# KiCad board EndGame.kicad_pcb
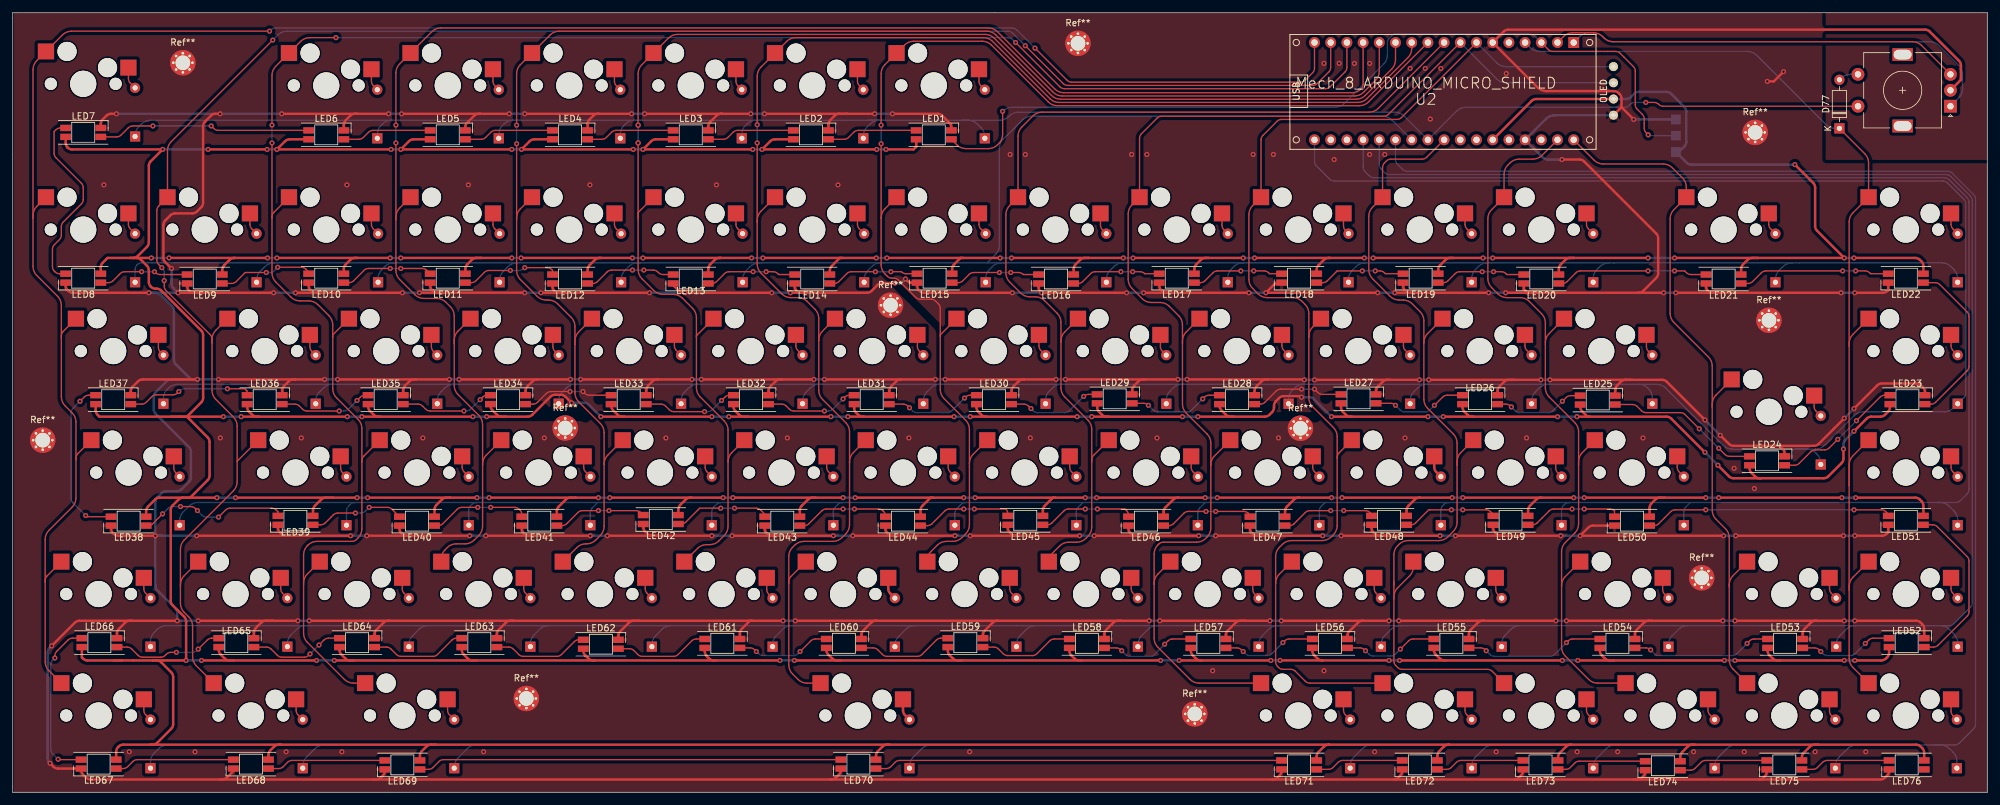
[diagram p0: board, top side]
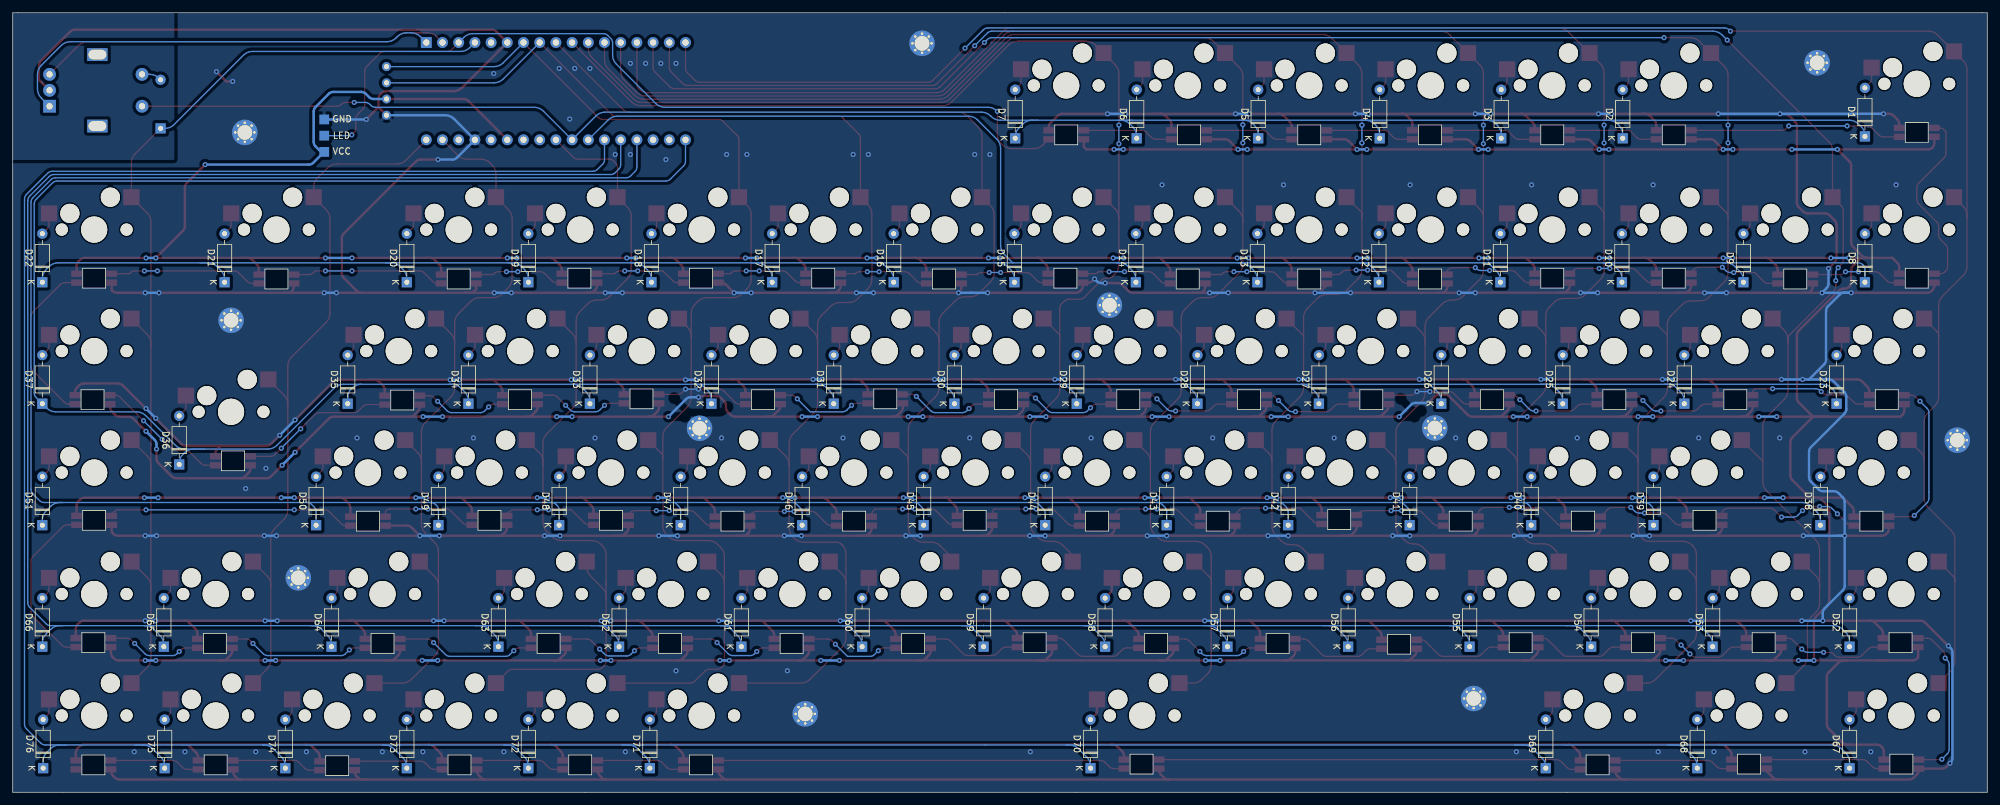
[diagram p1: board, bottom side, seen from below]

Outline 309.56 x 122.24 mm; copper layers: Top, Bottom. Coordinates in mm from the lower left corner of the outline.
Outline path: 0,122.24 0,0 309.56,0 309.56,122.24 0,122.24

## Placement (name value [footprint] x y rotation side)
D1  Diode_1N4148  [D_DO-35_SOD27_P7.62mm_Horizontal]  19.18 102.84 90 bottom
D2  Diode_1N4148  [D_DO-35_SOD27_P7.62mm_Horizontal]  57.15 102.55 90 bottom
D3  Diode_1N4148  [D_DO-35_SOD27_P7.62mm_Horizontal]  76.2 102.55 90 bottom
D4  Diode_1N4148  [D_DO-35_SOD27_P7.62mm_Horizontal]  95.25 102.55 90 bottom
D5  Diode_1N4148  [D_DO-35_SOD27_P7.62mm_Horizontal]  114.3 102.55 90 bottom
D6  Diode_1N4148  [D_DO-35_SOD27_P7.62mm_Horizontal]  133.35 102.55 90 bottom
D7  Diode_1N4148  [D_DO-35_SOD27_P7.62mm_Horizontal]  152.4 102.55 90 bottom
D8  Diode_1N4148  [D_DO-35_SOD27_P7.62mm_Horizontal]  19.18 79.98 90 bottom
D9  Diode_1N4148  [D_DO-35_SOD27_P7.62mm_Horizontal]  38.23 79.98 90 bottom
D10  Diode_1N4148  [D_DO-35_SOD27_P7.62mm_Horizontal]  57.28 79.98 90 bottom
D11  Diode_1N4148  [D_DO-35_SOD27_P7.62mm_Horizontal]  76.33 79.98 90 bottom
D12  Diode_1N4148  [D_DO-35_SOD27_P7.62mm_Horizontal]  95.38 79.98 90 bottom
D13  Diode_1N4148  [D_DO-35_SOD27_P7.62mm_Horizontal]  114.43 79.98 90 bottom
D14  Diode_1N4148  [D_DO-35_SOD27_P7.62mm_Horizontal]  133.48 79.98 90 bottom
D15  Diode_1N4148  [D_DO-35_SOD27_P7.62mm_Horizontal]  152.53 79.98 90 bottom
D16  Diode_1N4148  [D_DO-35_SOD27_P7.62mm_Horizontal]  171.45 79.98 90 bottom
D17  Diode_1N4148  [D_DO-35_SOD27_P7.62mm_Horizontal]  190.5 79.98 90 bottom
D18  Diode_1N4148  [D_DO-35_SOD27_P7.62mm_Horizontal]  209.42 79.98 90 bottom
D19  Diode_1N4148  [D_DO-35_SOD27_P7.62mm_Horizontal]  228.73 79.98 90 bottom
D20  Diode_1N4148  [D_DO-35_SOD27_P7.62mm_Horizontal]  247.78 79.98 90 bottom
D21  Diode_1N4148  [D_DO-35_SOD27_P7.62mm_Horizontal]  276.35 79.98 90 bottom
D22  Diode_1N4148  [D_DO-35_SOD27_P7.62mm_Horizontal]  304.93 79.98 90 bottom
D23  Diode_1N4148  [D_DO-35_SOD27_P7.62mm_Horizontal]  23.62 60.93 90 bottom
D24  Diode_1N4148  [D_DO-35_SOD27_P7.62mm_Horizontal]  47.5 60.93 90 bottom
D25  Diode_1N4148  [D_DO-35_SOD27_P7.62mm_Horizontal]  66.55 60.93 90 bottom
D26  Diode_1N4148  [D_DO-35_SOD27_P7.62mm_Horizontal]  85.6 60.93 90 bottom
D27  Diode_1N4148  [D_DO-35_SOD27_P7.62mm_Horizontal]  104.77 60.93 90 bottom
D28  Diode_1N4148  [D_DO-35_SOD27_P7.62mm_Horizontal]  123.83 60.93 90 bottom
D29  Diode_1N4148  [D_DO-35_SOD27_P7.62mm_Horizontal]  142.75 60.93 90 bottom
D30  Diode_1N4148  [D_DO-35_SOD27_P7.62mm_Horizontal]  161.93 60.93 90 bottom
D31  Diode_1N4148  [D_DO-35_SOD27_P7.62mm_Horizontal]  180.85 60.93 90 bottom
D32  Diode_1N4148  [D_DO-35_SOD27_P7.62mm_Horizontal]  200.02 60.93 90 bottom
D33  Diode_1N4148  [D_DO-35_SOD27_P7.62mm_Horizontal]  219.07 60.93 90 bottom
D34  Diode_1N4148  [D_DO-35_SOD27_P7.62mm_Horizontal]  238.12 60.93 90 bottom
D35  Diode_1N4148  [D_DO-35_SOD27_P7.62mm_Horizontal]  257.05 60.93 90 bottom
D36  Diode_1N4148  [D_DO-35_SOD27_P7.62mm_Horizontal]  283.46 51.4 90 bottom
D37  Diode_1N4148  [D_DO-35_SOD27_P7.62mm_Horizontal]  304.93 60.93 90 bottom
D38  Diode_1N4148  [D_DO-35_SOD27_P7.62mm_Horizontal]  26.16 41.88 90 bottom
D39  Diode_1N4148  [D_DO-35_SOD27_P7.62mm_Horizontal]  52.32 41.88 90 bottom
D40  Diode_1N4148  [D_DO-35_SOD27_P7.62mm_Horizontal]  71.5 41.88 90 bottom
D41  Diode_1N4148  [D_DO-35_SOD27_P7.62mm_Horizontal]  90.55 41.88 90 bottom
D42  Diode_1N4148  [D_DO-35_SOD27_P7.62mm_Horizontal]  109.6 41.88 90 bottom
D43  Diode_1N4148  [D_DO-35_SOD27_P7.62mm_Horizontal]  128.65 41.88 90 bottom
D44  Diode_1N4148  [D_DO-35_SOD27_P7.62mm_Horizontal]  147.7 41.88 90 bottom
D45  Diode_1N4148  [D_DO-35_SOD27_P7.62mm_Horizontal]  166.75 41.88 90 bottom
D46  Diode_1N4148  [D_DO-35_SOD27_P7.62mm_Horizontal]  185.8 41.88 90 bottom
D47  Diode_1N4148  [D_DO-35_SOD27_P7.62mm_Horizontal]  204.85 41.88 90 bottom
D48  Diode_1N4148  [D_DO-35_SOD27_P7.62mm_Horizontal]  223.9 41.88 90 bottom
D49  Diode_1N4148  [D_DO-35_SOD27_P7.62mm_Horizontal]  242.82 41.88 90 bottom
D50  Diode_1N4148  [D_DO-35_SOD27_P7.62mm_Horizontal]  262 41.88 90 bottom
D51  Diode_1N4148  [D_DO-35_SOD27_P7.62mm_Horizontal]  304.93 41.88 90 bottom
D52  Diode_1N4148  [D_DO-35_SOD27_P7.62mm_Horizontal]  21.59 22.83 90 bottom
D53  Diode_1N4148  [D_DO-35_SOD27_P7.62mm_Horizontal]  43.05 22.83 90 bottom
D54  Diode_1N4148  [D_DO-35_SOD27_P7.62mm_Horizontal]  62.1 22.83 90 bottom
D55  Diode_1N4148  [D_DO-35_SOD27_P7.62mm_Horizontal]  81.15 22.83 90 bottom
D56  Diode_1N4148  [D_DO-35_SOD27_P7.62mm_Horizontal]  100.2 22.83 90 bottom
D57  Diode_1N4148  [D_DO-35_SOD27_P7.62mm_Horizontal]  119.13 22.83 90 bottom
D58  Diode_1N4148  [D_DO-35_SOD27_P7.62mm_Horizontal]  138.3 22.83 90 bottom
D59  Diode_1N4148  [D_DO-35_SOD27_P7.62mm_Horizontal]  157.35 22.83 90 bottom
D60  Diode_1N4148  [D_DO-35_SOD27_P7.62mm_Horizontal]  176.4 22.83 90 bottom
D61  Diode_1N4148  [D_DO-35_SOD27_P7.62mm_Horizontal]  195.33 22.83 90 bottom
D62  Diode_1N4148  [D_DO-35_SOD27_P7.62mm_Horizontal]  214.5 22.83 90 bottom
D63  Diode_1N4148  [D_DO-35_SOD27_P7.62mm_Horizontal]  233.43 22.83 90 bottom
D64  Diode_1N4148  [D_DO-35_SOD27_P7.62mm_Horizontal]  259.59 22.83 90 bottom
D65  Diode_1N4148  [D_DO-35_SOD27_P7.62mm_Horizontal]  285.88 22.83 90 bottom
D66  Diode_1N4148  [D_DO-35_SOD27_P7.62mm_Horizontal]  304.93 22.83 90 bottom
D67  Diode_1N4148  [D_DO-35_SOD27_P7.62mm_Horizontal]  21.59 3.78 90 bottom
D68  Diode_1N4148  [D_DO-35_SOD27_P7.62mm_Horizontal]  45.47 3.78 90 bottom
D69  Diode_1N4148  [D_DO-35_SOD27_P7.62mm_Horizontal]  69.22 3.78 90 bottom
D70  Diode_1N4148  [D_DO-35_SOD27_P7.62mm_Horizontal]  140.59 3.78 90 bottom
D71  Diode_1N4148  [D_DO-35_SOD27_P7.62mm_Horizontal]  209.68 3.78 90 bottom
D72  Diode_1N4148  [D_DO-35_SOD27_P7.62mm_Horizontal]  228.73 3.78 90 bottom
D73  Diode_1N4148  [D_DO-35_SOD27_P7.62mm_Horizontal]  247.78 3.78 90 bottom
D74  Diode_1N4148  [D_DO-35_SOD27_P7.62mm_Horizontal]  266.83 3.78 90 bottom
D75  Diode_1N4148  [D_DO-35_SOD27_P7.62mm_Horizontal]  285.75 3.78 90 bottom
D76  Diode_1N4148  [D_DO-35_SOD27_P7.62mm_Horizontal]  304.8 3.78 90 bottom
D77  Diode_1N4148  [D_DO-35_SOD27_P7.62mm_Horizontal]  286.38 104.11 90 top
J1  LED  [StripLED_1side]  260.73 100.43 0 bottom
LED1  YS-SK6812  [YS-SK6812MINI-E_2]  144.4 103.09 180 top
LED2  YS-SK6812  [YS-SK6812MINI-E_2]  125.14 103.09 180 top
LED3  YS-SK6812  [YS-SK6812MINI-E_2]  106.3 103.09 180 top
LED4  YS-SK6812  [YS-SK6812MINI-E_2]  87.38 103.09 180 top
LED5  YS-SK6812  [YS-SK6812MINI-E_2]  68.2 103.09 180 top
LED6  YS-SK6812  [YS-SK6812MINI-E_2]  49.15 103.09 180 top
LED7  YS-SK6812  [YS-SK6812MINI-E_2]  11.05 103.47 180 top
LED8  YS-SK6812  [YS-SK6812MINI-E_2]  11.05 80.61 0 top
LED9  YS-SK6812  [YS-SK6812MINI-E_2]  30.1 80.49 0 top
LED10  YS-SK6812  [YS-SK6812MINI-E_2]  49.15 80.61 0 top
LED11  YS-SK6812  [YS-SK6812MINI-E_2]  68.2 80.61 0 top
LED12  YS-SK6812  [YS-SK6812MINI-E_2]  87.38 80.49 0 top
LED13  YS-SK6812  [YS-SK6812MINI-E_2]  106.3 80.49 0 top
LED14  YS-SK6812  [YS-SK6812MINI-E_2]  125.35 80.49 0 top
LED15  YS-SK6812  [YS-SK6812MINI-E_2]  144.53 80.61 0 top
LED16  YS-SK6812  [YS-SK6812MINI-E_2]  163.58 80.49 0 top
LED17  YS-SK6812  [YS-SK6812MINI-E_2]  182.5 80.61 0 top
LED18  YS-SK6812  [YS-SK6812MINI-E_2]  201.68 80.61 0 top
LED19  YS-SK6812  [YS-SK6812MINI-E_2]  220.73 80.61 0 top
LED20  YS-SK6812  [YS-SK6812MINI-E_2]  239.65 80.49 0 top
LED21  YS-SK6812  [YS-SK6812MINI-E_2]  268.22 80.49 0 top
LED22  YS-SK6812  [YS-SK6812MINI-E_2]  296.8 80.61 0 top
LED23  YS-SK6812  [YS-SK6812MINI-E_2]  297.05 61.56 180 top
LED24  YS-SK6812  [YS-SK6812MINI-E_2]  275.04 51.98 180 top
LED25  YS-SK6812  [YS-SK6812MINI-E_2]  248.5 61.5 180 top
LED26  YS-SK6812  [YS-SK6812MINI-E_2]  230.04 61.56 180 top
LED27  YS-SK6812  [YS-SK6812MINI-E_2]  210.99 61.69 180 top
LED28  YS-SK6812  [YS-SK6812MINI-E_2]  191.94 61.56 180 top
LED29  YS-SK6812  [YS-SK6812MINI-E_2]  172.76 61.69 180 top
LED30  YS-SK6812  [YS-SK6812MINI-E_2]  153.84 61.56 180 top
LED31  YS-SK6812  [YS-SK6812MINI-E_2]  134.66 61.56 180 top
LED32  YS-SK6812  [YS-SK6812MINI-E_2]  115.74 61.56 180 top
LED33  YS-SK6812  [YS-SK6812MINI-E_2]  96.56 61.56 180 top
LED34  YS-SK6812  [YS-SK6812MINI-E_2]  77.64 61.56 180 top
LED35  YS-SK6812  [YS-SK6812MINI-E_2]  58.46 61.56 180 top
LED36  YS-SK6812  [YS-SK6812MINI-E_2]  39.5 61.56 180 top
LED37  YS-SK6812  [YS-SK6812MINI-E_2]  15.75 61.56 180 top
LED38  YS-SK6812  [YS-SK6812MINI-E_2]  18.16 42.51 0 top
LED39  YS-SK6812  [YS-SK6812MINI-E_2]  44.32 42.64 0 top
LED40  YS-SK6812  [YS-SK6812MINI-E_2]  63.37 42.51 0 top
LED41  YS-SK6812  [YS-SK6812MINI-E_2]  82.55 42.51 0 top
LED42  YS-SK6812  [YS-SK6812MINI-E_2]  101.6 42.77 0 top
LED43  YS-SK6812  [YS-SK6812MINI-E_2]  120.65 42.51 0 top
LED44  YS-SK6812  [YS-SK6812MINI-E_2]  139.57 42.51 0 top
LED45  YS-SK6812  [YS-SK6812MINI-E_2]  158.75 42.64 0 top
LED46  YS-SK6812  [YS-SK6812MINI-E_2]  177.67 42.51 0 top
LED47  YS-SK6812  [YS-SK6812MINI-E_2]  196.72 42.51 0 top
LED48  YS-SK6812  [YS-SK6812MINI-E_2]  215.77 42.64 0 top
LED49  YS-SK6812  [YS-SK6812MINI-E_2]  234.82 42.64 0 top
LED50  YS-SK6812  [YS-SK6812MINI-E_2]  253.87 42.51 0 top
LED51  YS-SK6812  [YS-SK6812MINI-E_2]  296.8 42.64 0 top
LED52  YS-SK6812  [YS-SK6812MINI-E_2]  296.93 23.46 180 top
LED53  YS-SK6812  [YS-SK6812MINI-E_2]  277.88 23.34 180 top
LED54  YS-SK6812  [YS-SK6812MINI-E_2]  251.59 23.34 180 top
LED55  YS-SK6812  [YS-SK6812MINI-E_2]  225.55 23.34 180 top
LED56  YS-SK6812  [YS-SK6812MINI-E_2]  206.5 23.34 180 top
LED57  YS-SK6812  [YS-SK6812MINI-E_2]  187.45 23.34 180 top
LED58  YS-SK6812  [YS-SK6812MINI-E_2]  168.4 23.34 180 top
LED59  YS-SK6812  [YS-SK6812MINI-E_2]  149.35 23.46 180 top
LED60  YS-SK6812  [YS-SK6812MINI-E_2]  130.3 23.34 180 top
LED61  YS-SK6812  [YS-SK6812MINI-E_2]  111.25 23.34 180 top
LED62  YS-SK6812  [YS-SK6812MINI-E_2]  92.2 23.21 180 top
LED63  YS-SK6812  [YS-SK6812MINI-E_2]  73.15 23.46 180 top
LED64  YS-SK6812  [YS-SK6812MINI-E_2]  53.97 23.46 180 top
LED65  YS-SK6812  [YS-SK6812MINI-E_2]  35.05 23.46 180 top
LED66  YS-SK6812  [YS-SK6812MINI-E_2]  13.59 23.46 180 top
LED67  YS-SK6812  [YS-SK6812MINI-E_2]  13.46 4.41 0 top
LED68  YS-SK6812  [YS-SK6812MINI-E_2]  37.34 4.41 0 top
LED69  YS-SK6812  [YS-SK6812MINI-E_2]  61.09 4.29 0 top
LED70  YS-SK6812  [YS-SK6812MINI-E_2]  132.59 4.41 0 top
LED71  YS-SK6812  [YS-SK6812MINI-E_2]  201.68 4.29 0 top
LED72  YS-SK6812  [YS-SK6812MINI-E_2]  220.6 4.29 0 top
LED73  YS-SK6812  [YS-SK6812MINI-E_2]  239.52 4.29 0 top
LED74  YS-SK6812  [YS-SK6812MINI-E_2]  258.7 4.16 0 top
LED75  YS-SK6812  [YS-SK6812MINI-E_2]  277.75 4.29 0 top
LED76  YS-SK6812  [YS-SK6812MINI-E_2]  296.93 4.29 0 top
OL1  OLED  [OLED_v2]  250.97 109.98 90 top
Ref**  Val**  [M2_HOLE_v3]  264.8 33.62 0 top
Ref**#2  Val**  [M2_HOLE_v3]  26.67 114.4 0 top
Ref**#3  Val**  [M2_HOLE_v3]  86.61 57.12 0 top
Ref**#4  Val**  [M2_HOLE_v3]  4.7 55.21 0 top
Ref**#5  Val**  [M2_HOLE_v3]  80.52 14.7 0 top
Ref**#6  Val**  [M2_HOLE_v3]  275.34 74.01 0 top
Ref**#7  Val**  [M2_HOLE_v3]  273.18 103.47 0 top
Ref**#8  Val**  [M2_HOLE_v3]  137.62 76.38 0 top
Ref**#9  Val**  [M2_HOLE_v3]  201.89 57.07 0 top
Ref**#10  Val**  [M2_HOLE_v3]  185.32 12.29 0 top
Ref**#11  Val**  [M2_HOLE_v3]  167 117.44 0 top
SW1  SW_PUSH  [CherryMX_Hotswap]  11.05 111.09 180 bottom
SW2  SW_PUSH  [CherryMX_Hotswap]  49.15 110.84 180 bottom
SW3  SW_PUSH  [CherryMX_Hotswap]  68.2 110.84 180 bottom
SW4  SW_PUSH  [CherryMX_Hotswap]  87.25 110.84 180 bottom
SW5  SW_PUSH  [CherryMX_Hotswap]  106.3 110.84 180 bottom
SW6  SW_PUSH  [CherryMX_Hotswap]  125.35 110.84 180 bottom
SW7  SW_PUSH  [CherryMX_Hotswap]  144.4 110.84 180 bottom
SW8  SW_PUSH  [CherryMX_Hotswap]  11.05 88.23 180 bottom
SW9  SW_PUSH  [CherryMX_Hotswap]  30.1 88.23 180 bottom
SW10  SW_PUSH  [CherryMX_Hotswap]  49.15 88.23 180 bottom
SW11  SW_PUSH  [CherryMX_Hotswap]  68.2 88.23 180 bottom
SW12  SW_PUSH  [CherryMX_Hotswap]  87.25 88.23 180 bottom
SW13  SW_PUSH  [CherryMX_Hotswap]  106.3 88.23 180 bottom
SW14  SW_PUSH  [CherryMX_Hotswap]  125.35 88.23 180 bottom
SW15  SW_PUSH  [CherryMX_Hotswap]  144.4 88.23 180 bottom
SW16  SW_PUSH  [CherryMX_Hotswap]  163.45 88.23 180 bottom
SW17  SW_PUSH  [CherryMX_Hotswap]  182.5 88.23 180 bottom
SW18  SW_PUSH  [CherryMX_Hotswap]  201.55 88.23 180 bottom
SW19  SW_PUSH  [CherryMX_Hotswap]  220.6 88.23 180 bottom
SW20  SW_PUSH  [CherryMX_Hotswap]  239.65 88.23 180 bottom
SW21  SW_PUSH  [CherryMX_Hotswap]  268.22 88.23 180 bottom
SW22  SW_PUSH  [CherryMX_Hotswap]  296.8 88.23 180 bottom
SW23  SW_PUSH  [CherryMX_Hotswap]  15.75 69.18 180 bottom
SW24  SW_PUSH  [CherryMX_Hotswap]  39.5 69.18 180 bottom
SW25  SW_PUSH  [CherryMX_Hotswap]  58.55 69.18 180 bottom
SW26  SW_PUSH  [CherryMX_Hotswap]  77.6 69.18 180 bottom
SW27  SW_PUSH  [CherryMX_Hotswap]  96.65 69.18 180 bottom
SW28  SW_PUSH  [CherryMX_Hotswap]  115.7 69.18 180 bottom
SW29  SW_PUSH  [CherryMX_Hotswap]  134.75 69.18 180 bottom
SW30  SW_PUSH  [CherryMX_Hotswap]  153.8 69.18 180 bottom
SW31  SW_PUSH  [CherryMX_Hotswap]  172.85 69.18 180 bottom
SW32  SW_PUSH  [CherryMX_Hotswap]  191.9 69.18 180 bottom
SW33  SW_PUSH  [CherryMX_Hotswap]  210.95 69.18 180 bottom
SW34  SW_PUSH  [CherryMX_Hotswap]  230 69.18 180 bottom
SW35  SW_PUSH  [CherryMX_Hotswap]  249.05 69.18 180 bottom
SW36  SW_PUSH  [CherryMX_Hotswap]  275.34 59.66 180 bottom
SW37  SW_PUSH  [CherryMX_Hotswap]  296.8 69.18 180 bottom
SW38  SW_PUSH  [CherryMX_Hotswap]  18.16 50.13 180 bottom
SW39  SW_PUSH  [CherryMX_Hotswap]  44.32 50.13 180 bottom
SW40  SW_PUSH  [CherryMX_Hotswap]  63.37 50.13 180 bottom
SW41  SW_PUSH  [CherryMX_Hotswap]  82.42 50.13 180 bottom
SW42  SW_PUSH  [CherryMX_Hotswap]  101.47 50.13 180 bottom
SW43  SW_PUSH  [CherryMX_Hotswap]  120.52 50.13 180 bottom
SW44  SW_PUSH  [CherryMX_Hotswap]  139.57 50.13 180 bottom
SW45  SW_PUSH  [CherryMX_Hotswap]  158.62 50.13 180 bottom
SW46  SW_PUSH  [CherryMX_Hotswap]  177.67 50.13 180 bottom
SW47  SW_PUSH  [CherryMX_Hotswap]  196.72 50.13 180 bottom
SW48  SW_PUSH  [CherryMX_Hotswap]  215.77 50.13 180 bottom
SW49  SW_PUSH  [CherryMX_Hotswap]  234.82 50.13 180 bottom
SW50  SW_PUSH  [CherryMX_Hotswap]  253.87 50.13 180 bottom
SW51  SW_PUSH  [CherryMX_Hotswap]  296.8 50.13 180 bottom
SW52  SW_PUSH  [CherryMX_Hotswap]  13.46 31.08 180 bottom
SW53  SW_PUSH  [CherryMX_Hotswap]  34.92 31.08 180 bottom
SW54  SW_PUSH  [CherryMX_Hotswap]  53.97 31.08 180 bottom
SW55  SW_PUSH  [CherryMX_Hotswap]  73.02 31.08 180 bottom
SW56  SW_PUSH  [CherryMX_Hotswap]  92.08 31.08 180 bottom
SW57  SW_PUSH  [CherryMX_Hotswap]  111.12 31.08 180 bottom
SW58  SW_PUSH  [CherryMX_Hotswap]  130.18 31.08 180 bottom
SW59  SW_PUSH  [CherryMX_Hotswap]  149.23 31.08 180 bottom
SW60  SW_PUSH  [CherryMX_Hotswap]  168.27 31.08 180 bottom
SW61  SW_PUSH  [CherryMX_Hotswap]  187.32 31.08 180 bottom
SW62  SW_PUSH  [CherryMX_Hotswap]  206.38 31.08 180 bottom
SW63  SW_PUSH  [CherryMX_Hotswap]  225.43 31.08 180 bottom
SW64  SW_PUSH  [CherryMX_Hotswap]  251.59 31.08 180 bottom
SW65  SW_PUSH  [CherryMX_Hotswap]  277.75 31.08 180 bottom
SW66  SW_PUSH  [CherryMX_Hotswap]  296.8 31.08 180 bottom
SW67  SW_PUSH  [CherryMX_Hotswap]  13.46 12.03 180 bottom
SW68  SW_PUSH  [CherryMX_Hotswap]  37.34 12.03 180 bottom
SW69  SW_PUSH  [CherryMX_Hotswap]  61.09 12.03 180 bottom
SW70  SW_PUSH  [CherryMX_Hotswap]  132.49 12.03 180 bottom
SW71  SW_PUSH  [CherryMX_Hotswap]  201.55 12.03 180 bottom
SW72  SW_PUSH  [CherryMX_Hotswap]  220.6 12.03 180 bottom
SW73  SW_PUSH  [CherryMX_Hotswap]  239.65 12.03 180 bottom
SW74  SW_PUSH  [CherryMX_Hotswap]  258.7 12.03 180 bottom
SW75  SW_PUSH  [CherryMX_Hotswap]  277.75 12.03 180 bottom
SW76  SW_PUSH  [CherryMX_Hotswap]  296.8 12.03 180 bottom
SW77  Device_Rotary_Encoder_Switch  [RotaryEncoder_EC11]  296.3 110.08 180 top
U2  Mech_8_ARDUINO_MICRO_SHIELD  [ARDUINO_MICRO_SHIELD]  248.23 118.82 180 top

## Footprints (pads in the part's own frame, mm; a bottom-side part is the same pattern mirrored in y, then rotated)
ARDUINO_MICRO_SHIELD
  round 1.7 hole 1: 2(18.74,1.254) 3(21.28,1.254) 3.3V(41.6,16.51) 4(23.82,1.254) 5(26.36,1.254) 5V(16.2,16.51) 6(28.9,1.254) 7(31.44,1.254) 8(33.98,1.254) 9(36.52,1.254) 10(39.06,1.254) 11(41.6,1.254) 12(44.14,1.254) 13(44.14,16.51) A0(36.52,16.51) A1(33.98,16.51) A2(31.44,16.51) A3(28.9,16.51) A4(26.36,16.51) A5(23.82,16.51) AREF(39.06,16.51) GND(11.12,16.51) GND(16.2,1.254) MI(6.04,16.51) NC(18.74,16.51) NC(21.28,16.51) RST(13.66,16.51) RST(13.66,1.254) RX(11.12,1.254) SCK(3.5,16.51) SS(6.04,1.254) TX(8.58,1.254) VI(8.58,16.51)
  rect 1.7x1.7 hole 1: MO(3.5,1.254)
CherryMX_Hotswap
  round 1.9 hole 1.9 unplated: (-5.08,0) (5.08,0)
  round 3 hole 3 unplated: (-3.81,2.54) (2.54,5.08)
  round 4.1 hole 4.1 unplated: (0,0)
  rect 2.55x2.5 smd far side: 1(-7.085,2.54) 2(5.842,5.08)
D_DO-35_SOD27_P7.62mm_Horizontal
  rect 1.6x1.6 hole 0.8: 1(0,0)
  oval 1.6x1.6 hole 0.8: 2(7.62,0)
M2_HOLE_v3
  round 0.5 hole 0.4: 1(-1.5,0) 1(-1.06,1.06) 1(-1.06,-1.06) 1(0,1.5) 1(0,-1.5) 1(1.06,1.06) 1(1.06,-1.06) 1(1.5,0)
  round 4 hole 2.3: 1(0,0)
OLED_v2
  round 1.397 hole 0.813: 1(-3.81,0) 2(-1.27,0) 3(1.27,0) 4(3.81,0)
RotaryEncoder_EC11
  rect 3.2x2 hole 2.8x1.5 unplated: (0,5.6) (0,-5.6)
  rect 2x2 hole 1: A(-7.5,2.5)
  round 2 hole 1: B(-7.5,-2.5) C(-7.5,0) S1(7,-2.5) S2(7,2.5)
StripLED_1side
  rect 1.524x1.524 smd: 1(0,0) 2(0,-2.54) 3(0,-5.08)
YS-SK6812MINI-E_2
  rect 1.7x1 smd: 1(2.75,0.7) 2(2.75,-0.7) 3(-2.75,-0.7) 4(-2.75,0.7)

## Nets
GND: J1.3 LED1.3 LED2.3 LED3.3 LED4.3 LED5.3 LED6.3 LED7.3 LED8.3 LED9.3 LED10.3 LED11.3 LED12.3 LED13.3 LED14.3 LED15.3 LED16.3 LED17.3 LED18.3 LED19.3 LED20.3 LED21.3 LED22.3 LED23.3 LED24.3 LED25.3 LED26.3 LED27.3 LED28.3 LED29.3 LED30.3 LED31.3 LED32.3 LED33.3 LED34.3 LED35.3 LED36.3 LED37.3 LED38.3 LED39.3 LED40.3 LED41.3 LED42.3 LED43.3 LED44.3 LED45.3 LED46.3 LED47.3 LED48.3 LED49.3 LED50.3 LED51.3 LED52.3 LED53.3 LED54.3 LED55.3 LED56.3 LED57.3 LED58.3 LED59.3 LED60.3 LED61.3 LED62.3 LED63.3 LED64.3 LED65.3 LED66.3 LED67.3 LED68.3 LED69.3 LED70.3 LED71.3 LED72.3 LED73.3 LED74.3 LED75.3 LED76.3 OL1.1 SW77.C U2.GND
VCC: J1.1 LED1.1 LED2.1 LED3.1 LED4.1 LED5.1 LED6.1 LED7.1 LED8.1 LED9.1 LED10.1 LED11.1 LED12.1 LED13.1 LED14.1 LED15.1 LED16.1 LED17.1 LED18.1 LED19.1 LED20.1 LED21.1 LED22.1 LED23.1 LED24.1 LED25.1 LED26.1 LED27.1 LED28.1 LED29.1 LED30.1 LED31.1 LED32.1 LED33.1 LED34.1 LED35.1 LED36.1 LED37.1 LED38.1 LED39.1 LED40.1 LED41.1 LED42.1 LED43.1 LED44.1 LED45.1 LED46.1 LED47.1 LED48.1 LED49.1 LED50.1 LED51.1 LED52.1 LED53.1 LED54.1 LED55.1 LED56.1 LED57.1 LED58.1 LED59.1 LED60.1 LED61.1 LED62.1 LED63.1 LED64.1 LED65.1 LED66.1 LED67.1 LED68.1 LED69.1 LED70.1 LED71.1 LED72.1 LED73.1 LED74.1 LED75.1 LED76.1 OL1.2 U2.5V
Col1: SW1.2 SW8.2 SW23.2 SW38.2 SW52.2 SW67.2 U2.12
Col2: SW9.2 SW24.2 SW39.2 SW53.2 SW68.2 U2.11
Col3: SW2.2 SW10.2 SW25.2 SW40.2 SW54.2 SW69.2 U2.10
Col4: SW3.2 SW11.2 SW26.2 SW41.2 SW55.2 U2.9
Col5: SW4.2 SW12.2 SW27.2 SW42.2 SW56.2 U2.8
Col6: SW5.2 SW13.2 SW28.2 SW43.2 SW57.2 U2.7
Col7: SW6.2 SW14.2 SW29.2 SW44.2 SW58.2 SW70.2 U2.6
Col8: SW16.2 SW31.2 SW46.2 SW60.2 U2.4
Col9: SW7.2 SW15.2 SW30.2 SW45.2 SW59.2 U2.5
Col10: OL1.3 SW17.2 SW32.2 SW47.2 SW61.2 SW71.2 U2.3
Col11: OL1.4 SW18.2 SW33.2 SW48.2 SW62.2 SW72.2 U2.2
Col12: SW19.2 SW34.2 SW49.2 SW63.2 SW73.2 U2.A5
Col13: SW20.2 SW35.2 SW50.2 SW64.2 SW74.2 U2.MI
Col14: SW21.2 SW36.2 SW65.2 SW75.2 U2.SCK
Col15: D77.1 SW22.2 SW37.2 SW51.2 SW66.2 SW76.2 U2.RX
en1: SW77.B U2.SS
en2: SW77.A U2.MO
LED: J1.2 LED1.4 U2.TX
Row1: D1.1 D2.1 D3.1 D4.1 D5.1 D6.1 D7.1 SW77.S2 U2.A4
Row2: D8.1 D9.1 D10.1 D11.1 D12.1 D13.1 D14.1 D15.1 D16.1 D17.1 D18.1 D19.1 D20.1 D21.1 D22.1 U2.A3
Row3: D23.1 D24.1 D25.1 D26.1 D27.1 D28.1 D29.1 D30.1 D31.1 D32.1 D33.1 D34.1 D35.1 D36.1 D37.1 U2.13
Row4: D38.1 D39.1 D40.1 D41.1 D42.1 D43.1 D44.1 D45.1 D46.1 D47.1 D48.1 D49.1 D50.1 D51.1 U2.A0
Row5: D52.1 D53.1 D54.1 D55.1 D56.1 D57.1 D58.1 D59.1 D60.1 D61.1 D62.1 D63.1 D64.1 D65.1 D66.1 U2.A1
Row6: D67.1 D68.1 D69.1 D70.1 D71.1 D72.1 D73.1 D74.1 D75.1 D76.1 U2.A2
Net-(D1-A): D1.2 SW1.1
Net-(D2-A): D2.2 SW2.1
Net-(D3-A): D3.2 SW3.1
Net-(D4-A): D4.2 SW4.1
Net-(D5-A): D5.2 SW5.1
Net-(D6-A): D6.2 SW6.1
Net-(D7-A): D7.2 SW7.1
Net-(D8-A): D8.2 SW8.1
Net-(D9-A): D9.2 SW9.1
Net-(D10-A): D10.2 SW10.1
Net-(D11-A): D11.2 SW11.1
Net-(D12-A): D12.2 SW12.1
Net-(D13-A): D13.2 SW13.1
Net-(D14-A): D14.2 SW14.1
Net-(D15-A): D15.2 SW15.1
Net-(D16-A): D16.2 SW16.1
Net-(D17-A): D17.2 SW17.1
Net-(D18-A): D18.2 SW18.1
Net-(D19-A): D19.2 SW19.1
Net-(D20-A): D20.2 SW20.1
Net-(D21-A): D21.2 SW21.1
Net-(D22-A): D22.2 SW22.1
Net-(D23-A): D23.2 SW23.1
Net-(D24-A): D24.2 SW24.1
Net-(D25-A): D25.2 SW25.1
Net-(D26-A): D26.2 SW26.1
Net-(D27-A): D27.2 SW27.1
Net-(D28-A): D28.2 SW28.1
Net-(D29-A): D29.2 SW29.1
Net-(D30-A): D30.2 SW30.1
Net-(D31-A): D31.2 SW31.1
Net-(D32-A): D32.2 SW32.1
Net-(D33-A): D33.2 SW33.1
Net-(D34-A): D34.2 SW34.1
Net-(D35-A): D35.2 SW35.1
Net-(D36-A): D36.2 SW36.1
Net-(D37-A): D37.2 SW37.1
Net-(D38-A): D38.2 SW38.1
Net-(D39-A): D39.2 SW39.1
Net-(D40-A): D40.2 SW40.1
Net-(D41-A): D41.2 SW41.1
Net-(D42-A): D42.2 SW42.1
Net-(D43-A): D43.2 SW43.1
Net-(D44-A): D44.2 SW44.1
Net-(D45-A): D45.2 SW45.1
Net-(D46-A): D46.2 SW46.1
Net-(D47-A): D47.2 SW47.1
Net-(D48-A): D48.2 SW48.1
Net-(D49-A): D49.2 SW49.1
Net-(D50-A): D50.2 SW50.1
Net-(D51-A): D51.2 SW51.1
Net-(D52-A): D52.2 SW52.1
Net-(D53-A): D53.2 SW53.1
Net-(D54-A): D54.2 SW54.1
Net-(D55-A): D55.2 SW55.1
Net-(D56-A): D56.2 SW56.1
Net-(D57-A): D57.2 SW57.1
Net-(D58-A): D58.2 SW58.1
Net-(D59-A): D59.2 SW59.1
Net-(D60-A): D60.2 SW60.1
Net-(D61-A): D61.2 SW61.1
Net-(D62-A): D62.2 SW62.1
Net-(D63-A): D63.2 SW63.1
Net-(D64-A): D64.2 SW64.1
Net-(D65-A): D65.2 SW65.1
Net-(D66-A): D66.2 SW66.1
Net-(D67-A): D67.2 SW67.1
Net-(D68-A): D68.2 SW68.1
Net-(D69-A): D69.2 SW69.1
Net-(D70-A): D70.2 SW70.1
Net-(D71-A): D71.2 SW71.1
Net-(D72-A): D72.2 SW72.1
Net-(D73-A): D73.2 SW73.1
Net-(D74-A): D74.2 SW74.1
Net-(D75-A): D75.2 SW75.1
Net-(D76-A): D76.2 SW76.1
Net-(D77-A): D77.2 SW77.S1
Net-(LED1-DOUT): LED1.2 LED2.4
Net-(LED2-DOUT): LED2.2 LED3.4
Net-(LED3-DOUT): LED3.2 LED4.4
Net-(LED4-DOUT): LED4.2 LED5.4
Net-(LED5-DOUT): LED5.2 LED6.4
Net-(LED6-DOUT): LED6.2 LED7.4
Net-(LED7-DOUT): LED7.2 LED8.4
Net-(LED8-DOUT): LED8.2 LED9.4
Net-(LED10-DIN): LED9.2 LED10.4
Net-(LED10-DOUT): LED10.2 LED11.4
Net-(LED11-DOUT): LED11.2 LED12.4
Net-(LED12-DOUT): LED12.2 LED13.4
Net-(LED13-DOUT): LED13.2 LED14.4
Net-(LED14-DOUT): LED14.2 LED15.4
Net-(LED15-DOUT): LED15.2 LED16.4
Net-(LED16-DOUT): LED16.2 LED17.4
Net-(LED17-DOUT): LED17.2 LED18.4
Net-(LED18-DOUT): LED18.2 LED19.4
Net-(LED19-DOUT): LED19.2 LED20.4
Net-(LED20-DOUT): LED20.2 LED21.4
Net-(LED21-DOUT): LED21.2 LED22.4
Net-(LED22-DOUT): LED22.2 LED23.4
Net-(LED23-DOUT): LED23.2 LED24.4
Net-(LED24-DOUT): LED24.2 LED25.4
Net-(LED25-DOUT): LED25.2 LED26.4
Net-(LED26-DOUT): LED26.2 LED27.4
Net-(LED27-DOUT): LED27.2 LED28.4
Net-(LED28-DOUT): LED28.2 LED29.4
Net-(LED29-DOUT): LED29.2 LED30.4
Net-(LED30-DOUT): LED30.2 LED31.4
Net-(LED31-DOUT): LED31.2 LED32.4
Net-(LED32-DOUT): LED32.2 LED33.4
Net-(LED33-DOUT): LED33.2 LED34.4
Net-(LED34-DOUT): LED34.2 LED35.4
Net-(LED35-DOUT): LED35.2 LED36.4
Net-(LED36-DOUT): LED36.2 LED37.4
Net-(LED37-DOUT): LED37.2 LED38.4
Net-(LED38-DOUT): LED38.2 LED39.4
Net-(LED39-DOUT): LED39.2 LED40.4
Net-(LED40-DOUT): LED40.2 LED41.4
Net-(LED41-DOUT): LED41.2 LED42.4
Net-(LED42-DOUT): LED42.2 LED43.4
Net-(LED43-DOUT): LED43.2 LED44.4
Net-(LED44-DOUT): LED44.2 LED45.4
Net-(LED45-DOUT): LED45.2 LED46.4
Net-(LED46-DOUT): LED46.2 LED47.4
Net-(LED47-DOUT): LED47.2 LED48.4
Net-(LED48-DOUT): LED48.2 LED49.4
Net-(LED49-DOUT): LED49.2 LED50.4
Net-(LED50-DOUT): LED50.2 LED51.4
Net-(LED51-DOUT): LED51.2 LED52.4
Net-(LED52-DOUT): LED52.2 LED53.4
Net-(LED53-DOUT): LED53.2 LED54.4
Net-(LED54-DOUT): LED54.2 LED55.4
Net-(LED55-DOUT): LED55.2 LED56.4
Net-(LED56-DOUT): LED56.2 LED57.4
Net-(LED57-DOUT): LED57.2 LED58.4
Net-(LED58-DOUT): LED58.2 LED59.4
Net-(LED59-DOUT): LED59.2 LED60.4
Net-(LED60-DOUT): LED60.2 LED61.4
Net-(LED61-DOUT): LED61.2 LED62.4
Net-(LED62-DOUT): LED62.2 LED63.4
Net-(LED63-DOUT): LED63.2 LED64.4
Net-(LED64-DOUT): LED64.2 LED65.4
Net-(LED65-DOUT): LED65.2 LED66.4
Net-(LED66-DOUT): LED66.2 LED67.4
Net-(LED67-DOUT): LED67.2 LED68.4
Net-(LED68-DOUT): LED68.2 LED69.4
Net-(LED69-DOUT): LED69.2 LED70.4
Net-(LED70-DOUT): LED70.2 LED71.4
Net-(LED71-DOUT): LED71.2 LED72.4
Net-(LED72-DOUT): LED72.2 LED73.4
Net-(LED73-DOUT): LED73.2 LED74.4
Net-(LED74-DOUT): LED74.2 LED75.4
Net-(LED75-DOUT): LED75.2 LED76.4

Pads without a net: LED76 2; Ref** 1; Ref**#2 1; Ref**#3 1; Ref**#4 1; Ref**#5 1; Ref**#6 1; Ref**#7 1; Ref**#8 1; Ref**#9 1; Ref**#10 1; Ref**#11 1; U2 3.3V AREF NC RST VI

## Via types
v1: diameter 0.8, hole 0.4, Top to Bottom, 427 vias
